# KiCad board gk.kicad_pcb (continued)
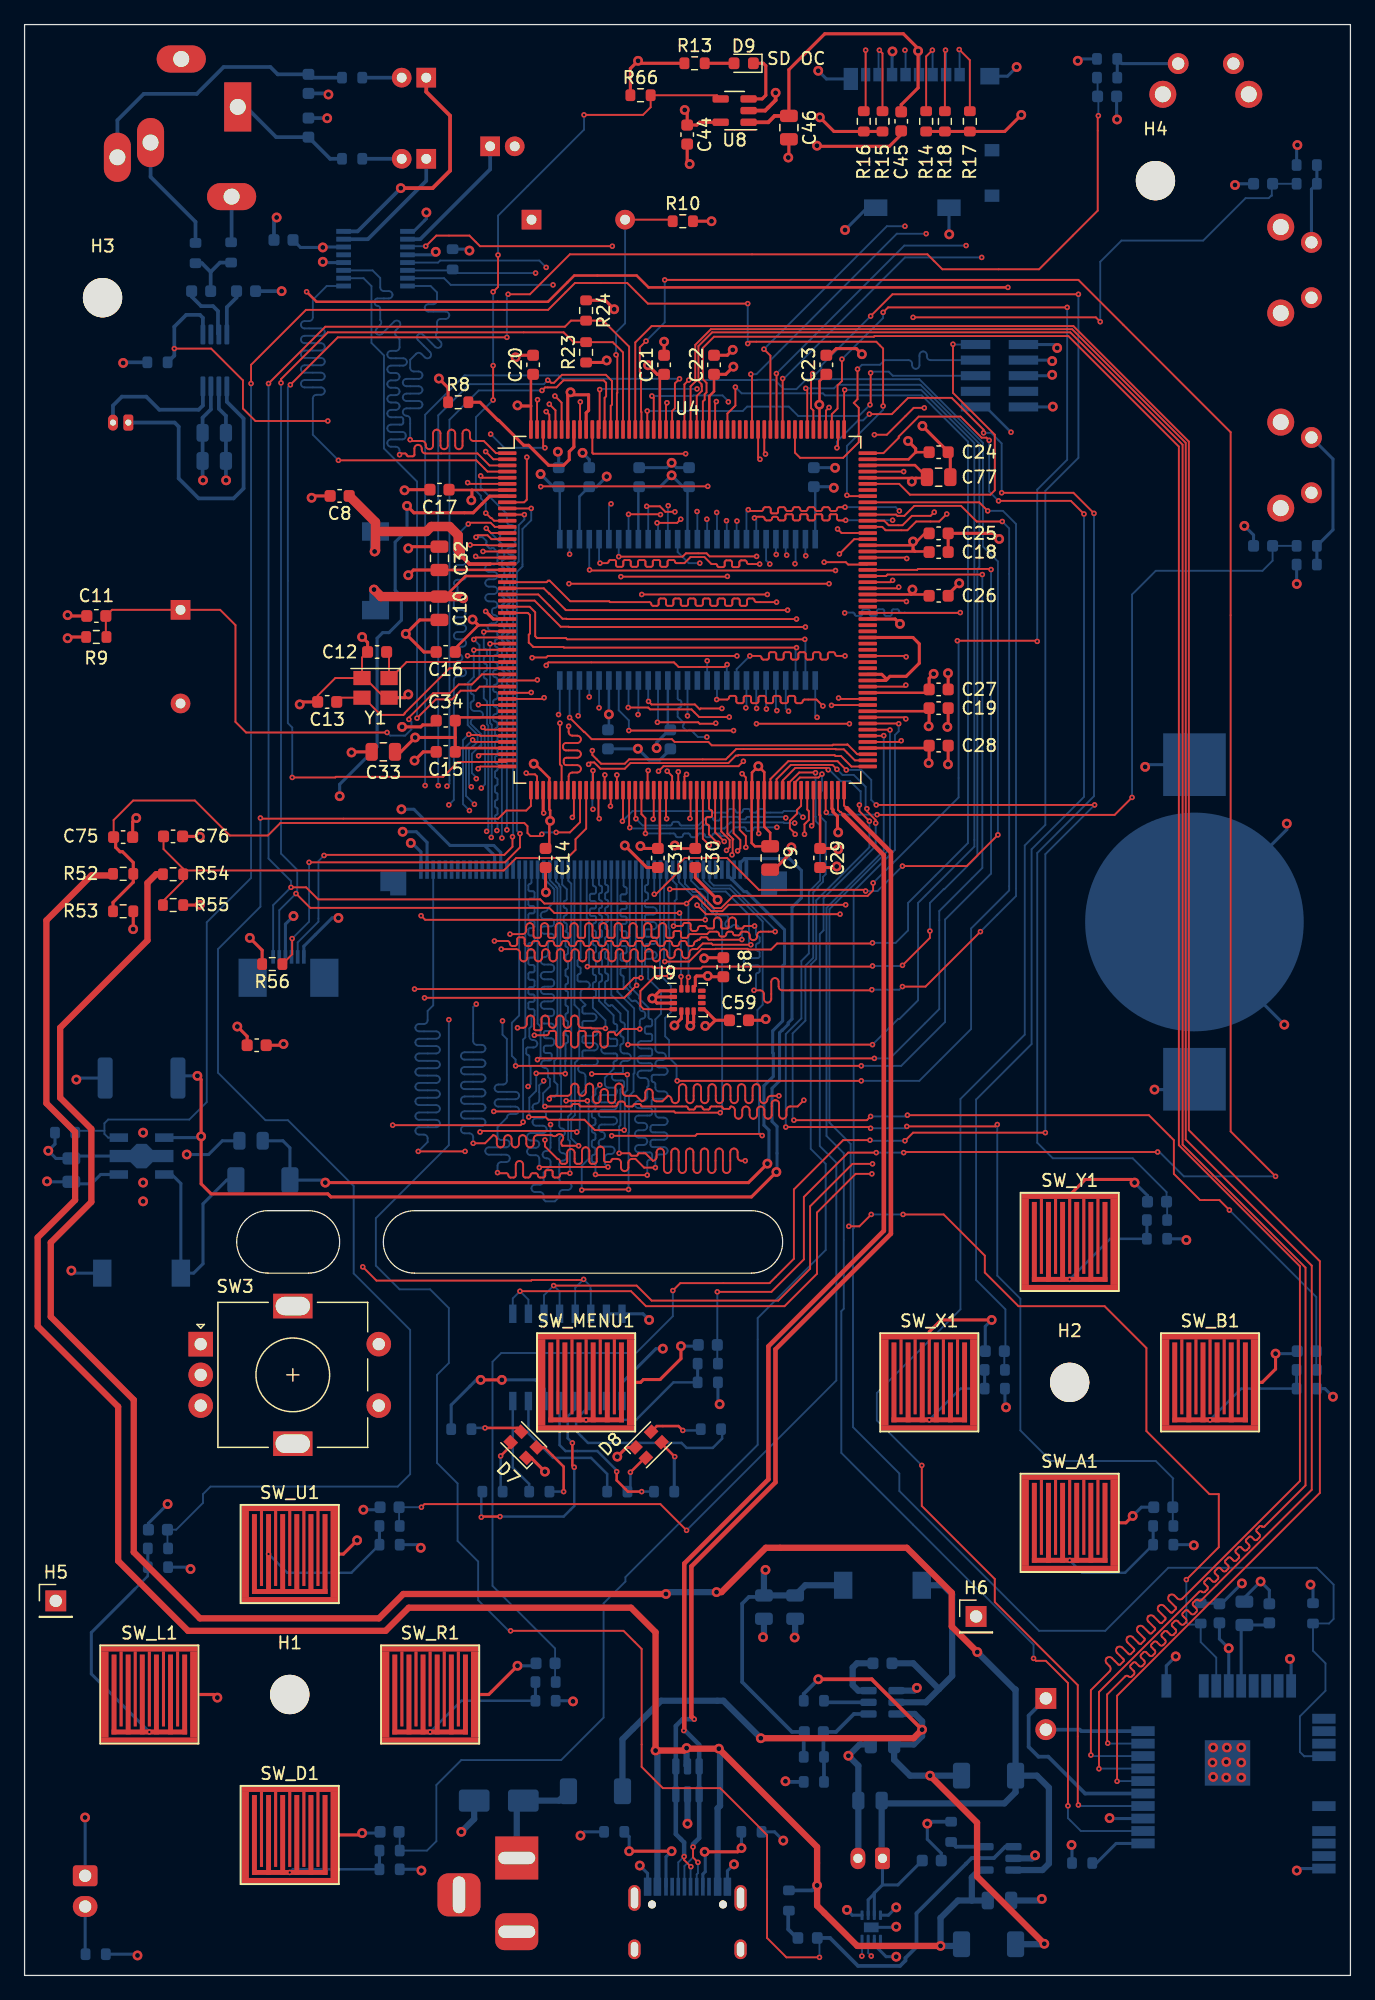
[diagram p0: board, top side]
## Routing (per net, layer and track width the routed paths; a pad name or vN(x,y) marks a point on that pad's centre or on a via; arc(x,y) is an arc through that point) (continued)
LTDC_B2: length 94.8
  Top w0.152: U4.176 57.22,127.1 57.88,127.75 v2(57.88,129.25) ; v2(69.04,84.02) 68.99,83.97 61.26,83.97 60.77,83.48 58.92,83.48 58.86,83.54 56.26,83.54 56.24,83.52 55.12,83.52 54.1,82.5 v2(52.12,82.5)
  Bottom w0.152: v2(69.04,84.02) 70.92,84.02 71.93,85.04 71.93,87.27 76.81,92.15 76.81,124.82 73.05,128.57 65.17,128.57 65,128.74 58.38,128.74 v2(57.88,129.25) ; J3.14 52.27,88.9 52.07,88.7 52.07,82.55 v2(52.12,82.5)
LTDC_B3: length 98.5
  Top w0.152: v2(79.6,118.31) 77.52,118.31 76.25,119.58 72.44,119.58 71.63,118.77 71.07,118.77 70.96,118.88 U4.146 ; v2(68.12,72.8) v2(53.14,72.8)
  Bottom w0.152: v2(53.14,72.8) 53.09,72.85 53.09,74.07 52.48,74.68 52.48,76.1 52.16,76.42 52.16,77.91 52.63,78.38 52.63,80.52 51.73,81.42 51.73,89.95 J3.15 ; v2(68.12,72.8) 72.85,72.8 77.06,77.01 77.06,85.19 80.16,88.29 80.16,117.75 v2(79.6,118.31)
LTDC_B4: length 97.9
  Top w0.152: U4.183 53.72,129.48 v2(54.08,129.83) ; v2(79.25,92.81) 76.71,90.27 v2(71.48,90.27) ; v2(51.27,87.99) 51.41,87.99 53.24,89.81 53.24,90.42 53.75,90.93 57.2,90.93 59.79,88.34 68.38,88.34 v2(68.48,88.24)
  Bottom w0.152: v2(54.08,129.83) 59.62,129.83 59.64,129.84 61.06,129.84 61.82,129.08 62.84,129.08 63.65,129.9 72.85,129.9 78.03,124.71 78.03,116.28 79.25,115.06 v2(79.25,92.81) ; J3.16 v2(51.27,87.99) ; v2(71.48,90.27) 69.44,88.24 v2(68.48,88.24)
LTDC_B5: length 95.4
  Top w0.152: v2(40.84,97.84) 40.94,97.74 41.55,97.74 41.72,97.57 U4.54 ; v2(51.36,65.74) 50.44,65.74 49.73,66.45 49.46,66.45 arc(49.25,66.36) 49.16,66.15 49.16,65.75 arc(49.07,65.53) 48.86,65.45 arc(48.65,65.53) 48.56,65.75 48.56,66.15 arc(48.47,66.36) 48.26,66.45 47.91,66.45 arc(47.82,66.41) 47.78,66.32 arc(47.75,66.23) 47.66,66.2 47.31,66.2 arc(47.22,66.23) 47.18,66.32 47.18,67.15 arc(47.1,67.36) 46.88,67.45 arc(46.67,67.36) 46.58,67.15 46.58,66.25 arc(46.52,66.1) 46.38,66.05 46.18,66.05 arc(46.04,66.1) 45.98,66.25 45.98,67.1 arc(45.9,67.31) 45.68,67.4 arc(45.47,67.31) 45.38,67.1 45.38,66.25 arc(45.32,66.1) 45.18,66.05 44.98,66.05 arc(44.84,66.1) 44.78,66.25 44.78,66.95 arc(44.7,67.16) 44.48,67.25 arc(44.27,67.16) 44.18,66.95 44.18,66.25 arc(44.12,66.1) 43.98,66.05 43.78,66.05 arc(43.64,66.1) 43.58,66.25 arc(43.52,66.39) 43.38,66.45 42.37,67.46 v2(42.37,67.99)
  In3.Cu w0.152: v2(40.84,97.84) 40.84,96.67 41.35,96.16 41.35,87.07 42.98,85.45 42.98,72.54 42.21,71.78 42.21,71.73 41.61,71.12 41.61,68.75 v2(42.37,67.99)
  Bottom w0.152: J3.17 50.77,88.85 arc(50.73,88.76) 50.64,88.72 arc(50.56,88.69) 50.52,88.6 50.52,88.25 arc(50.56,88.16) 50.64,88.12 arc(50.73,88.09) 50.77,88 50.77,87.65 arc(50.73,87.56) 50.64,87.52 arc(50.56,87.49) 50.52,87.4 50.52,87.05 arc(50.56,86.96) 50.64,86.92 51.17,86.92 arc(51.38,86.84) 51.47,86.62 arc(51.38,86.41) 51.17,86.32 50.64,86.32 arc(50.56,86.29) 50.52,86.2 50.52,85.85 arc(50.56,85.76) 50.64,85.72 51.17,85.72 arc(51.38,85.64) 51.47,85.42 arc(51.38,85.21) 51.17,85.12 50.64,85.12 arc(50.56,85.09) 50.52,85 50.52,84.65 arc(50.56,84.56) 50.64,84.52 51.17,84.52 arc(51.38,84.44) 51.47,84.22 arc(51.38,84.01) 51.17,83.92 50.64,83.92 arc(50.56,83.89) 50.52,83.8 50.52,83.45 arc(50.56,83.36) 50.64,83.32 51.17,83.32 arc(51.38,83.24) 51.47,83.02 arc(51.38,82.81) 51.17,82.72 50.64,82.72 arc(50.56,82.69) 50.52,82.6 50.52,82.25 arc(50.56,82.16) 50.64,82.12 arc(50.73,82.09) 50.77,82 50.77,81.11 51.82,80.06 51.82,78.26 51.36,77.8 51.36,75.39 arc(51.45,75.18) 51.66,75.09 51.91,75.09 arc(52.12,75) 52.21,74.79 arc(52.12,74.58) 51.91,74.49 51.66,74.49 arc(51.45,74.4) 51.36,74.19 arc(51.45,73.98) 51.66,73.89 52.06,73.89 arc(52.27,73.8) 52.36,73.59 arc(52.27,73.38) 52.06,73.29 51.21,73.29 arc(51.1,73.24) 51.06,73.14 51.06,72.84 arc(51.1,72.73) 51.21,72.69 arc(51.31,72.64) 51.36,72.54 51.36,72.24 arc(51.45,72.03) 51.66,71.94 52.06,71.94 arc(52.27,71.85) 52.36,71.64 arc(52.27,71.43) 52.06,71.34 51.21,71.34 arc(51.1,71.29) 51.06,71.19 51.06,70.89 arc(51.1,70.78) 51.21,70.74 arc(51.31,70.69) 51.36,70.59 51.36,70.1 arc(51.45,69.89) 51.66,69.8 52.06,69.8 arc(52.27,69.72) 52.36,69.5 arc(52.27,69.29) 52.06,69.2 51.16,69.2 arc(51.02,69.15) 50.96,69 50.96,68.8 arc(51.02,68.66) 51.16,68.6 52.06,68.6 arc(52.27,68.52) 52.36,68.3 arc(52.27,68.09) 52.06,68 51.16,68 arc(51.02,67.95) 50.96,67.8 50.96,67.6 arc(51.02,67.46) 51.16,67.4 52.06,67.4 arc(52.27,67.32) 52.36,67.1 arc(52.27,66.89) 52.06,66.8 51.66,66.8 arc(51.45,66.72) 51.36,66.5 v2(51.36,65.74)
LTDC_B6: length 95
  Top w0.152: v2(31.75,80.26) 48.72,80.26 49.63,81.18 v2(50.19,81.18) ; U4.195 47.72,127.73 47.83,127.83 47.83,129.75 47.33,130.25 43.75,130.25 43.1,129.6 42.88,129.6 42.67,129.81 v2(42.6,129.81)
  In3.Cu w0.152: v2(33.68,96.82) 33.68,86.31 31.75,84.38 v2(31.75,80.26)
  Bottom w0.152: v2(33.68,96.82) 33.68,126.95 36.22,129.49 42.28,129.49 v2(42.6,129.81) ; J3.18 50.27,81.26 v2(50.19,81.18)
LTDC_B7: length 93.2
  Top w0.152: U4.196 47.22,128.38 47.35,128.5 47.35,129.6 47.15,129.8 43.88,129.8 43.3,129.23 42.38,129.23 v2(42.12,128.98) ; v2(49.83,80.57) 48.82,79.55 v2(32.56,79.55)
  In3.Cu w0.152: v2(34.39,96.77) 34.39,96.37 34.09,96.06 34.09,94.79 34.3,94.58 34.3,86.12 32.56,84.38 v2(32.56,79.55)
  Bottom w0.152: J3.19 49.77,80.63 v2(49.83,80.57) ; v2(34.39,96.77) 34.59,96.98 34.59,126.59 36.98,128.98 v2(42.12,128.98)
LTDC_CLK: length 101.2
  Top w0.152: v2(78.69,114.4) 78.64,114.45 72.75,114.45 72.67,114.38 U4.137 ; v2(68.12,74.02) v2(39.98,74.02)
  Bottom w0.152: v2(39.98,74.02) 39.98,74.52 39.67,74.83 39.67,77.52 40.27,78.12 J3.38 ; v2(78.69,114.4) 78.69,89.66 74.95,85.92 74.95,77.59 71.37,74.02 v2(68.12,74.02)
LTDC_DE: length 97
  Top w0.152: U4.34 36.08,107.38 v2(36.07,107.39) ; v2(35.86,67.06) v2(32.05,67.06)
  In3.Cu w0.152: v2(35.86,67.06) 35.84,67.08 35.84,78.92 35.56,79.2 35.56,106.88 v2(36.07,107.39)
  Bottom w0.152: J3.52 33.27,78.94 32.82,78.49 32.82,77.72 arc(32.73,77.51) 32.52,77.42 32.12,77.42 arc(31.9,77.34) 31.82,77.12 arc(31.9,76.91) 32.12,76.82 33.52,76.82 arc(33.73,76.74) 33.82,76.52 arc(33.73,76.31) 33.52,76.22 32.12,76.22 arc(31.9,76.14) 31.82,75.92 arc(31.9,75.71) 32.12,75.62 33.52,75.62 arc(33.73,75.54) 33.82,75.32 arc(33.73,75.11) 33.52,75.02 32.12,75.02 arc(31.9,74.94) 31.82,74.72 arc(31.9,74.51) 32.12,74.42 33.52,74.42 arc(33.73,74.34) 33.82,74.12 arc(33.73,73.91) 33.52,73.82 32.12,73.82 arc(31.9,73.74) 31.82,73.52 arc(31.9,73.31) 32.12,73.22 33.52,73.22 arc(33.73,73.14) 33.82,72.92 arc(33.73,72.71) 33.52,72.62 32.12,72.62 arc(31.9,72.54) 31.82,72.32 arc(31.9,72.11) 32.12,72.02 33.52,72.02 arc(33.73,71.94) 33.82,71.72 arc(33.73,71.51) 33.52,71.42 32.12,71.42 arc(31.9,71.34) 31.82,71.12 arc(31.9,70.91) 32.12,70.82 33.52,70.82 arc(33.73,70.74) 33.82,70.52 arc(33.73,70.31) 33.52,70.22 32.12,70.22 arc(31.9,70.14) 31.82,69.92 arc(31.9,69.71) 32.12,69.62 33.52,69.62 arc(33.73,69.54) 33.82,69.32 arc(33.73,69.11) 33.52,69.02 32.12,69.02 arc(31.9,68.94) 31.82,68.72 arc(31.9,68.51) 32.12,68.42 32.52,68.42 arc(32.73,68.34) 32.82,68.12 32.82,67.82 v2(32.05,67.06)
LTDC_G0: length 92.2
  Top w0.152: v2(46.48,65.18) 46.53,65.13 v2(50.7,65.13) ; U4.64 46.72,94.19 v2(46.79,94.13)
  In3.Cu w0.152: v2(46.84,72.46) 46.79,72.51 46.79,73 arc(46.87,73.21) 47.09,73.3 47.14,73.3 arc(47.35,73.39) 47.44,73.6 arc(47.35,73.81) 47.14,73.9 46.66,73.9 arc(46.57,73.94) 46.54,74.02 46.54,74.37 arc(46.57,74.46) 46.66,74.5 47.14,74.5 arc(47.35,74.59) 47.44,74.8 arc(47.35,75.01) 47.14,75.1 47.09,75.1 arc(46.87,75.19) 46.79,75.4 arc(46.87,75.61) 47.09,75.7 47.14,75.7 arc(47.35,75.79) 47.44,76 arc(47.35,76.21) 47.14,76.3 47.09,76.3 arc(46.87,76.39) 46.79,76.6 46.79,77.25 arc(46.87,77.46) 47.09,77.55 47.14,77.55 arc(47.35,77.64) 47.44,77.85 arc(47.35,78.06) 47.14,78.15 47.09,78.15 arc(46.87,78.24) 46.79,78.45 arc(46.87,78.66) 47.09,78.75 47.14,78.75 arc(47.35,78.84) 47.44,79.05 arc(47.35,79.26) 47.14,79.35 47.09,79.35 arc(46.87,79.44) 46.79,79.65 arc(46.87,79.86) 47.09,79.95 47.14,79.95 arc(47.35,80.04) 47.44,80.25 arc(47.35,80.46) 47.14,80.55 46.66,80.55 arc(46.57,80.59) 46.54,80.67 46.54,81.02 arc(46.57,81.11) 46.66,81.15 47.14,81.15 arc(47.35,81.24) 47.44,81.45 arc(47.35,81.66) 47.14,81.75 47.09,81.75 arc(46.87,81.84) 46.79,82.05 arc(46.87,82.26) 47.09,82.35 47.14,82.35 arc(47.35,82.44) 47.44,82.65 arc(47.35,82.86) 47.14,82.95 46.66,82.95 arc(46.57,82.99) 46.54,83.07 46.54,83.42 arc(46.57,83.51) 46.66,83.55 47.14,83.55 arc(47.35,83.64) 47.44,83.85 arc(47.35,84.06) 47.14,84.15 47.09,84.15 arc(46.87,84.24) 46.79,84.45 46.79,84.6 arc(46.87,84.81) 47.09,84.9 47.14,84.9 arc(47.35,84.98) 47.44,85.2 arc(47.35,85.41) 47.14,85.5 47.09,85.5 arc(46.87,85.58) 46.79,85.8 arc(46.87,86.01) 47.09,86.1 47.14,86.1 arc(47.35,86.18) 47.44,86.4 arc(47.35,86.61) 47.14,86.7 47.09,86.7 arc(46.87,86.78) 46.79,87 arc(46.87,87.21) 47.09,87.3 47.14,87.3 arc(47.35,87.38) 47.44,87.6 arc(47.35,87.81) 47.14,87.9 47.09,87.9 arc(46.87,87.98) 46.79,88.2 arc(46.87,88.41) 47.09,88.5 47.14,88.5 arc(47.35,88.58) 47.44,88.8 arc(47.35,89.01) 47.14,89.1 47.09,89.1 arc(46.87,89.18) 46.79,89.4 arc(46.87,89.61) 47.09,89.7 47.14,89.7 arc(47.35,89.78) 47.44,90 arc(47.35,90.21) 47.14,90.3 47.09,90.3 arc(46.87,90.38) 46.79,90.6 arc(46.87,90.81) 47.09,90.9 47.14,90.9 arc(47.35,90.98) 47.44,91.2 arc(47.35,91.41) 47.14,91.5 47.09,91.5 arc(46.87,91.58) 46.79,91.8 arc(46.87,92.01) 47.09,92.1 47.14,92.1 arc(47.35,92.18) 47.44,92.4 arc(47.35,92.61) 47.14,92.7 46.66,92.7 arc(46.57,92.73) 46.54,92.82 46.54,93.17 arc(46.57,93.26) 46.66,93.3 arc(46.75,93.33) 46.79,93.42 v2(46.79,94.13)
  Bottom w0.152: J3.20 49.27,80.47 50.04,79.71 50.04,79.5 50.8,78.74 50.8,77.98 arc(50.84,77.87) 50.95,77.83 arc(51.06,77.78) 51.1,77.68 51.1,77.38 arc(51.06,77.27) 50.95,77.23 50.65,77.23 arc(50.54,77.18) 50.5,77.08 50.5,76.78 arc(50.54,76.67) 50.65,76.63 50.95,76.63 arc(51.06,76.58) 51.1,76.48 51.1,76.18 arc(51.06,76.07) 50.95,76.03 50.2,76.03 arc(49.99,75.94) 49.9,75.73 arc(49.99,75.52) 50.2,75.43 50.95,75.43 arc(51.06,75.38) 51.1,75.28 51.1,74.98 arc(51.06,74.87) 50.95,74.83 50.2,74.83 arc(49.99,74.74) 49.9,74.53 arc(49.99,74.32) 50.2,74.23 50.95,74.23 arc(51.06,74.18) 51.1,74.08 51.1,73.78 arc(51.06,73.67) 50.95,73.63 50.2,73.63 arc(49.99,73.54) 49.9,73.33 arc(49.99,73.12) 50.2,73.03 50.5,73.03 arc(50.71,72.94) 50.8,72.73 50.8,72.39 50.7,72.29 50.7,71.48 arc(50.61,71.26) 50.4,71.18 50,71.18 arc(49.79,71.09) 49.7,70.88 arc(49.79,70.66) 50,70.58 50.9,70.58 arc(51.04,70.52) 51.1,70.38 51.1,70.18 arc(51.04,70.03) 50.9,69.98 50,69.98 arc(49.79,69.89) 49.7,69.68 arc(49.79,69.46) 50,69.38 50.4,69.38 arc(50.61,69.29) 50.7,69.08 arc(50.61,68.86) 50.4,68.78 50,68.78 arc(49.79,68.69) 49.7,68.48 arc(49.79,68.26) 50,68.18 50.4,68.18 arc(50.61,68.09) 50.7,67.88 arc(50.61,67.66) 50.4,67.58 50,67.58 arc(49.79,67.49) 49.7,67.28 arc(49.79,67.06) 50,66.98 50.9,66.98 arc(51.04,66.92) 51.1,66.78 51.1,66.58 arc(51.04,66.43) 50.9,66.38 arc(50.76,66.32) 50.7,66.18 v2(50.7,65.13) ; v2(46.48,65.18) 46.48,66.03 arc(46.44,66.14) 46.33,66.18 arc(46.23,66.22) 46.18,66.33 46.18,66.63 arc(46.23,66.74) 46.33,66.78 arc(46.44,66.82) 46.48,66.93 46.48,67.23 arc(46.44,67.34) 46.33,67.38 arc(46.23,67.42) 46.18,67.53 46.18,67.83 arc(46.23,67.94) 46.33,67.98 arc(46.44,68.02) 46.48,68.13 46.48,68.43 arc(46.44,68.54) 46.33,68.58 arc(46.23,68.62) 46.18,68.73 46.18,69.03 arc(46.23,69.14) 46.33,69.18 arc(46.44,69.22) 46.48,69.33 46.48,69.63 arc(46.44,69.74) 46.33,69.78 arc(46.23,69.82) 46.18,69.93 46.18,70.23 arc(46.23,70.34) 46.33,70.38 arc(46.44,70.42) 46.48,70.53 46.48,70.88 arc(46.45,70.97) 46.36,71 arc(46.27,71.04) 46.23,71.13 46.23,71.48 arc(46.27,71.57) 46.36,71.6 arc(46.45,71.64) 46.48,71.73 46.48,72.11 v2(46.84,72.46)
LTDC_G1: length 93.3
  Top w0.152: v2(50.09,77.01) 48.72,77.01 48.21,76.5 arc(48.12,76.54) 48.08,76.63 arc(48.05,76.72) 47.96,76.75 47.61,76.75 arc(47.52,76.72) 47.48,76.63 47.48,75.8 arc(47.4,75.59) 47.18,75.5 arc(46.97,75.59) 46.88,75.8 46.88,76.65 arc(46.84,76.76) 46.73,76.8 46.43,76.8 arc(46.33,76.76) 46.28,76.65 46.28,75.8 arc(46.2,75.59) 45.98,75.5 arc(45.77,75.59) 45.68,75.8 45.68,76.68 arc(45.63,76.8) 45.51,76.85 45.26,76.85 arc(45.14,76.8) 45.08,76.68 45.08,75.8 arc(45,75.59) 44.78,75.5 arc(44.57,75.59) 44.48,75.8 44.48,76.68 arc(44.43,76.8) 44.31,76.85 44.06,76.85 arc(43.94,76.8) 43.88,76.68 43.88,75.8 arc(43.8,75.59) 43.58,75.5 arc(43.37,75.59) 43.28,75.8 43.28,76.68 arc(43.23,76.8) 43.11,76.85 42.86,76.85 arc(42.74,76.8) 42.68,76.68 arc(42.63,76.56) 42.51,76.5 v2(41.5,76.5) ; v2(37.13,122.02) 37.28,121.88 U4.5
  In3.Cu w0.152: v2(41.5,76.5) 41.5,85.29 39.47,87.33 39.47,92.1 39.27,92.3 v2(39.27,93.22)
  Bottom w0.152: v2(39.27,93.22) 39.27,104.26 arc(39.31,104.35) 39.39,104.39 arc(39.48,104.42) 39.52,104.51 39.52,104.86 arc(39.48,104.95) 39.39,104.99 arc(39.31,105.02) 39.27,105.11 39.27,105.46 arc(39.31,105.55) 39.39,105.59 arc(39.48,105.62) 39.52,105.71 39.52,106.06 arc(39.48,106.15) 39.39,106.19 arc(39.31,106.22) 39.27,106.31 39.27,106.66 arc(39.31,106.75) 39.39,106.79 arc(39.48,106.82) 39.52,106.91 39.52,107.26 arc(39.48,107.35) 39.39,107.39 arc(39.31,107.42) 39.27,107.51 39.27,107.86 arc(39.31,107.95) 39.39,107.99 arc(39.48,108.02) 39.52,108.11 39.52,108.46 arc(39.48,108.55) 39.39,108.59 arc(39.31,108.62) 39.27,108.71 39.27,109.06 arc(39.31,109.15) 39.39,109.19 arc(39.48,109.22) 39.52,109.31 39.52,109.66 arc(39.48,109.75) 39.39,109.79 arc(39.31,109.82) 39.27,109.91 39.27,110.26 arc(39.31,110.35) 39.39,110.39 arc(39.48,110.42) 39.52,110.51 39.52,110.86 arc(39.48,110.95) 39.39,110.99 arc(39.31,111.02) 39.27,111.11 39.27,111.46 arc(39.31,111.55) 39.39,111.59 arc(39.48,111.62) 39.52,111.71 39.52,112.06 arc(39.48,112.15) 39.39,112.19 arc(39.31,112.22) 39.27,112.31 39.27,112.66 arc(39.31,112.75) 39.39,112.79 arc(39.48,112.82) 39.52,112.91 39.52,113.26 arc(39.48,113.35) 39.39,113.39 arc(39.31,113.42) 39.27,113.51 39.27,113.86 arc(39.31,113.95) 39.39,113.99 arc(39.48,114.02) 39.52,114.11 39.52,114.46 arc(39.48,114.55) 39.39,114.59 arc(39.31,114.62) 39.27,114.71 arc(39.36,114.93) 39.57,115.01 39.67,115.01 arc(39.88,115.1) 39.97,115.31 arc(39.88,115.53) 39.67,115.61 39.57,115.61 arc(39.36,115.7) 39.27,115.91 arc(39.36,116.13) 39.57,116.21 39.67,116.21 arc(39.88,116.3) 39.97,116.51 arc(39.88,116.73) 39.67,116.81 38.99,116.81 arc(38.8,116.89) 38.72,117.09 38.72,117.14 arc(38.8,117.33) 38.99,117.41 39.67,117.41 arc(39.88,117.5) 39.97,117.71 arc(39.88,117.93) 39.67,118.01 39.57,118.01 arc(39.36,118.1) 39.27,118.31 39.27,118.92 37.13,121.06 v2(37.13,122.02) ; J3.21 48.77,88.7 arc(48.81,88.61) 48.89,88.57 arc(48.98,88.54) 49.02,88.45 49.02,88.1 arc(48.98,88.01) 48.89,87.97 48.64,87.97 arc(48.56,87.94) 48.52,87.85 48.52,87.5 arc(48.56,87.41) 48.64,87.37 48.89,87.37 arc(48.98,87.34) 49.02,87.25 49.02,86.9 arc(48.98,86.81) 48.89,86.77 48.64,86.77 arc(48.56,86.74) 48.52,86.65 48.52,86.3 arc(48.56,86.21) 48.64,86.17 48.89,86.17 arc(48.98,86.14) 49.02,86.05 49.02,85.7 arc(48.98,85.61) 48.89,85.57 48.64,85.57 arc(48.56,85.54) 48.52,85.45 48.52,85.1 arc(48.56,85.01) 48.64,84.97 48.89,84.97 arc(48.98,84.94) 49.02,84.85 49.02,84.5 arc(48.98,84.41) 48.89,84.37 48.64,84.37 arc(48.56,84.34) 48.52,84.25 48.52,83.9 arc(48.56,83.81) 48.64,83.77 48.89,83.77 arc(48.98,83.74) 49.02,83.65 49.02,83.3 arc(48.98,83.21) 48.89,83.17 48.64,83.17 arc(48.56,83.14) 48.52,83.05 48.52,82.7 arc(48.56,82.61) 48.64,82.57 48.89,82.57 arc(48.98,82.54) 49.02,82.45 49.02,82.1 arc(48.98,82.01) 48.89,81.97 48.64,81.97 arc(48.56,81.94) 48.52,81.85 48.52,81.5 arc(48.56,81.41) 48.64,81.37 arc(48.73,81.34) 48.77,81.25 48.77,80.31 arc(48.84,80.28) 48.91,80.31 arc(48.98,80.34) 49.05,80.31 49.34,80.03 arc(49.36,79.96) 49.34,79.89 49.18,79.73 arc(49.14,79.64) 49.18,79.55 49.42,79.31 arc(49.51,79.27) 49.6,79.31 arc(49.69,79.34) 49.78,79.31 50.09,78.99 50.09,78.69 arc(50.15,78.53) 50.31,78.46 arc(50.47,78.4) 50.54,78.24 50.54,78.09 arc(50.47,77.93) 50.31,77.86 arc(50.15,77.8) 50.09,77.64 v2(50.09,77.01)
LTDC_G2: length 94.1
  Top w0.152: v2(44.3,101.65) 44.3,101.19 arc(44.39,100.97) 44.6,100.89 45,100.89 arc(45.21,100.8) 45.3,100.59 arc(45.21,100.37) 45,100.29 44.07,100.29 arc(43.91,100.22) 43.85,100.06 43.85,99.91 arc(43.91,99.75) 44.07,99.69 45,99.69 arc(45.21,99.6) 45.3,99.39 arc(45.21,99.17) 45,99.09 44.1,99.09 arc(43.96,99.03) 43.9,98.89 43.9,98.69 arc(43.96,98.55) 44.1,98.49 45,98.49 arc(45.21,98.4) 45.3,98.19 arc(45.21,97.97) 45,97.89 44.6,97.89 arc(44.39,97.8) 44.3,97.59 44.3,96.52 ; v2(44.09,71.17) v2(45.82,71.17) ; v2(45.36,63.91) 45.42,63.96 v2(49.17,63.96)
  In3.Cu w0.152: v2(44.09,71.17) 44.15,71.22 44.15,71.63 43.79,71.98 43.79,73.05 43.63,73.21 43.63,73.54 43.79,73.7 43.79,73.81 43.84,73.86 43.84,74.27 44.15,74.57 44.15,75.18 arc(44.17,75.25) 44.25,75.28 arc(44.32,75.31) 44.35,75.38 44.35,75.78 arc(44.32,75.85) 44.25,75.88 43.97,75.88 arc(43.85,75.93) 43.8,76.06 43.8,76.31 arc(43.85,76.43) 43.97,76.48 44.25,76.48 arc(44.32,76.51) 44.35,76.58 44.35,76.98 arc(44.32,77.05) 44.25,77.08 arc(44.17,77.11) 44.15,77.18 44.15,77.58 arc(44.17,77.65) 44.25,77.68 arc(44.32,77.71) 44.35,77.78 44.35,78.18 arc(44.32,78.25) 44.25,78.28 arc(44.17,78.31) 44.15,78.38 44.15,78.78 arc(44.17,78.85) 44.25,78.88 arc(44.32,78.91) 44.35,78.98 44.35,79.38 arc(44.32,79.45) 44.25,79.48 arc(44.17,79.51) 44.15,79.58 44.15,79.98 arc(44.17,80.05) 44.25,80.08 arc(44.32,80.11) 44.35,80.18 44.35,80.58 arc(44.32,80.65) 44.25,80.68 arc(44.17,80.71) 44.15,80.78 44.15,81.18 arc(44.17,81.25) 44.25,81.28 arc(44.32,81.31) 44.35,81.38 44.35,81.78 arc(44.32,81.85) 44.25,81.88 arc(44.17,81.91) 44.15,81.98 44.15,82.38 arc(44.17,82.45) 44.25,82.48 arc(44.32,82.51) 44.35,82.58 44.35,82.98 arc(44.32,83.05) 44.25,83.08 arc(44.17,83.11) 44.15,83.18 44.15,83.58 arc(44.17,83.65) 44.25,83.68 arc(44.32,83.71) 44.35,83.78 44.35,84.18 arc(44.32,84.25) 44.25,84.28 arc(44.17,84.31) 44.15,84.38 44.15,84.78 arc(44.17,84.85) 44.25,84.88 arc(44.32,84.91) 44.35,84.98 44.35,85.38 arc(44.32,85.45) 44.25,85.48 arc(44.17,85.51) 44.15,85.58 44.15,85.98 arc(44.17,86.05) 44.25,86.08 arc(44.32,86.11) 44.35,86.18 44.35,86.58 arc(44.32,86.65) 44.25,86.68 arc(44.17,86.71) 44.15,86.78 44.15,87.18 arc(44.17,87.25) 44.25,87.28 arc(44.32,87.31) 44.35,87.38 44.35,87.78 arc(44.32,87.85) 44.25,87.88 arc(44.17,87.91) 44.15,87.98 44.15,88.38 arc(44.17,88.45) 44.25,88.48 arc(44.32,88.51) 44.35,88.58 44.35,88.98 arc(44.32,89.05) 44.25,89.08 arc(44.17,89.11) 44.15,89.18 44.15,89.58 arc(44.17,89.65) 44.25,89.68 arc(44.32,89.71) 44.35,89.78 44.35,90.18 arc(44.32,90.25) 44.25,90.28 arc(44.17,90.31) 44.15,90.38 44.15,90.78 arc(44.17,90.85) 44.25,90.88 arc(44.32,90.91) 44.35,90.98 44.35,91.38 arc(44.32,91.45) 44.25,91.48 43.97,91.48 arc(43.85,91.53) 43.8,91.66 43.8,91.91 arc(43.85,92.03) 43.97,92.08 44.25,92.08 arc(44.32,92.11) 44.35,92.18 44.35,92.58 arc(44.32,92.65) 44.25,92.68 arc(44.17,92.71) 44.15,92.78 44.15,93.18 arc(44.17,93.25) 44.25,93.28 arc(44.32,93.31) 44.35,93.38 44.35,93.78 arc(44.32,93.85) 44.25,93.88 arc(44.17,93.91) 44.15,93.98 44.15,94.13 44.04,94.23 44.04,94.99 arc(44.13,95.2) 44.34,95.29 44.74,95.29 arc(44.96,95.38) 45.04,95.59 arc(44.96,95.8) 44.74,95.89 44.34,95.89 arc(44.13,95.98) 44.04,96.19 arc(44.13,96.4) 44.34,96.49 44.74,96.49 arc(44.96,96.58) 45.04,96.79 arc(44.96,97) 44.74,97.09 44.34,97.09 arc(44.13,97.18) 44.04,97.39 arc(44.13,97.6) 44.34,97.69 44.69,97.69 arc(44.91,97.78) 44.99,97.99 arc(44.91,98.2) 44.69,98.29 44.34,98.29 arc(44.13,98.38) 44.04,98.59 arc(44.13,98.8) 44.34,98.89 44.59,98.89 arc(44.81,98.98) 44.89,99.19 arc(44.81,99.4) 44.59,99.49 44.34,99.49 arc(44.13,99.58) 44.04,99.79 arc(44.13,100) 44.34,100.09 44.59,100.09 arc(44.81,100.18) 44.89,100.39 arc(44.81,100.6) 44.59,100.69 44.34,100.69 arc(44.13,100.78) 44.04,100.99 44.04,101.4 v2(44.3,101.65)
  Bottom w0.152: J3.22 48.27,80.05 49.63,78.69 49.63,77.11 49.65,77.09 49.65,73.43 49.58,73.36 49.58,71.93 49.21,71.56 49.21,68.62 49.17,68.59 v2(49.17,63.96) ; v2(45.82,71.17) 45.92,71.07 45.92,66.45 45.36,65.89 v2(45.36,63.91)
LTDC_G3: length 102.8
  Top w0.152: v2(69.04,75.74) v2(49.12,75.74) ; U4.157 66.72,128.98 v2(66.77,129.03)
  Bottom w0.152: v2(49.12,75.74) 49.12,78.44 47.77,79.79 J3.23 ; v2(69.04,75.74) 71.12,77.83 71.22,77.83 72.75,79.35 72.75,87.27 77.33,91.86 77.33,124.7 73.01,129.03 v2(66.77,129.03)
LTDC_G4: length 104.1
  Top w0.152: U4.87 58.22,93.21 58.72,92.71 v2(58.72,91.8) ; v2(48.41,66.9) 49.23,66.9 arc(49.3,66.87) 49.33,66.8 arc(49.35,66.73) 49.43,66.7 49.83,66.7 arc(49.9,66.73) 49.93,66.8 arc(49.95,66.87) 50.03,66.9 50.55,66.9 51.16,66.29 arc(51.37,66.38) 51.46,66.59 51.46,66.99 arc(51.54,67.21) 51.76,67.29 arc(51.97,67.21) 52.06,66.99 52.06,65.59 arc(52.14,65.38) 52.36,65.29 arc(52.57,65.38) 52.66,65.59 52.66,66.99 arc(52.74,67.21) 52.96,67.29 arc(53.17,67.21) 53.26,66.99 53.26,65.59 arc(53.34,65.38) 53.56,65.29 arc(53.77,65.38) 53.86,65.59 53.86,66.99 arc(53.94,67.21) 54.16,67.29 arc(54.37,67.21) 54.46,66.99 54.46,65.59 arc(54.54,65.38) 54.76,65.29 arc(54.97,65.38) 55.06,65.59 55.06,66.99 arc(55.14,67.21) 55.36,67.29 arc(55.57,67.21) 55.66,66.99 55.66,65.59 arc(55.74,65.38) 55.96,65.29 arc(56.17,65.38) 56.26,65.59 56.26,66.99 arc(56.34,67.21) 56.56,67.29 arc(56.77,67.21) 56.86,66.99 56.86,65.59 arc(56.94,65.38) 57.16,65.29 arc(57.37,65.38) 57.46,65.59 57.46,66.99 arc(57.54,67.21) 57.76,67.29 arc(57.97,67.21) 58.06,66.99 58.06,66.59 arc(58.14,66.38) 58.36,66.29 v2(58.67,66.29)
  In3.Cu w0.152: v2(58.67,66.29) 58.67,69.19 58.81,69.33 58.81,70.61 arc(58.72,70.82) 58.51,70.91 58.17,70.91 arc(57.96,70.99) 57.87,71.21 arc(57.96,71.42) 58.17,71.51 59.45,71.51 arc(59.66,71.59) 59.75,71.81 arc(59.66,72.02) 59.45,72.11 58.17,72.11 arc(57.96,72.19) 57.87,72.41 arc(57.96,72.62) 58.17,72.71 59.45,72.71 arc(59.66,72.79) 59.75,73.01 arc(59.66,73.22) 59.45,73.31 58.17,73.31 arc(57.96,73.39) 57.87,73.61 arc(57.96,73.82) 58.17,73.91 59.45,73.91 arc(59.66,73.99) 59.75,74.21 arc(59.66,74.42) 59.45,74.51 58.17,74.51 arc(57.96,74.59) 57.87,74.81 arc(57.96,75.02) 58.17,75.11 59.45,75.11 arc(59.66,75.19) 59.75,75.41 arc(59.66,75.62) 59.45,75.71 58.17,75.71 arc(57.96,75.79) 57.87,76.01 arc(57.96,76.22) 58.17,76.31 58.51,76.31 arc(58.72,76.39) 58.81,76.61 58.81,83.59 58.69,83.71 58.69,84.03 58.81,84.15 58.81,91.71 v2(58.72,91.8)
  Bottom w0.152: v2(48.41,66.9) 48.41,69.08 48.51,69.18 48.51,72.07 arc(48.56,72.18) 48.66,72.22 arc(48.77,72.27) 48.81,72.37 48.81,72.67 arc(48.77,72.78) 48.66,72.82 48.11,72.82 arc(47.9,72.91) 47.81,73.12 arc(47.9,73.34) 48.11,73.42 48.61,73.42 arc(48.68,73.45) 48.71,73.52 48.71,73.92 arc(48.68,73.99) 48.61,74.02 arc(48.54,74.05) 48.51,74.12 arc(48.6,74.34) 48.81,74.42 49.06,74.42 arc(49.28,74.51) 49.36,74.72 arc(49.28,74.94) 49.06,75.02 48.81,75.02 arc(48.6,75.11) 48.51,75.32 48.51,75.67 arc(48.55,75.76) 48.64,75.8 arc(48.73,75.84) 48.76,75.92 48.76,76.27 arc(48.73,76.36) 48.64,76.4 arc(48.55,76.44) 48.51,76.52 48.51,76.77 arc(48.57,76.9) 48.69,76.95 arc(48.81,77) 48.86,77.12 48.86,77.37 arc(48.81,77.5) 48.69,77.55 arc(48.57,77.6) 48.51,77.72 48.51,78.28 47.87,78.93 arc(47.78,78.96) 47.69,78.93 arc(47.61,78.89) 47.52,78.93 47.27,79.17 arc(47.23,79.26) 47.27,79.35 arc(47.31,79.44) 47.27,79.53 47.27,80.8 arc(47.31,80.89) 47.39,80.92 arc(47.48,80.96) 47.52,81.05 47.52,81.4 arc(47.48,81.49) 47.39,81.52 arc(47.31,81.56) 47.27,81.65 47.27,82 arc(47.31,82.09) 47.39,82.12 arc(47.48,82.16) 47.52,82.25 47.52,82.6 arc(47.48,82.69) 47.39,82.72 arc(47.31,82.76) 47.27,82.85 47.27,83.2 arc(47.31,83.29) 47.39,83.32 arc(47.48,83.36) 47.52,83.45 47.52,83.8 arc(47.48,83.89) 47.39,83.92 arc(47.31,83.96) 47.27,84.05 47.27,84.4 arc(47.31,84.49) 47.39,84.52 arc(47.48,84.56) 47.52,84.65 47.52,85 arc(47.48,85.09) 47.39,85.12 arc(47.31,85.16) 47.27,85.25 47.27,85.6 arc(47.31,85.69) 47.39,85.72 arc(47.48,85.76) 47.52,85.85 47.52,86.2 arc(47.48,86.29) 47.39,86.32 arc(47.31,86.36) 47.27,86.45 47.27,86.8 arc(47.31,86.89) 47.39,86.92 arc(47.48,86.96) 47.52,87.05 47.52,87.4 arc(47.48,87.49) 47.39,87.52 arc(47.31,87.56) 47.27,87.65 47.27,88 arc(47.31,88.09) 47.39,88.12 arc(47.48,88.16) 47.52,88.25 47.52,88.6 arc(47.48,88.69) 47.39,88.72 arc(47.31,88.76) 47.27,88.85 J3.24
LTDC_G5: length 105
  Top w0.152: v2(41.91,65.74) 41.96,65.79 v2(47.5,65.79) ; v2(36.93,98.2) 37.11,98.38 U4.52
  In3.Cu w0.152: v2(42.27,72.8) 42.27,77.03 arc(42.33,77.18) 42.48,77.24 arc(42.63,77.31) 42.7,77.46 42.7,77.63 arc(42.63,77.78) 42.48,77.84 42.02,77.84 arc(41.85,77.91) 41.78,78.09 41.78,78.2 arc(41.85,78.37) 42.02,78.44 42.48,78.44 arc(42.64,78.51) 42.7,78.66 42.7,78.83 arc(42.64,78.98) 42.48,79.04 42.02,79.04 arc(41.85,79.11) 41.78,79.29 41.78,79.4 arc(41.85,79.57) 42.02,79.64 42.48,79.64 arc(42.64,79.71) 42.7,79.86 42.7,80.03 arc(42.64,80.18) 42.48,80.24 42.02,80.24 arc(41.85,80.31) 41.78,80.49 41.78,80.6 arc(41.85,80.77) 42.02,80.84 42.48,80.84 arc(42.64,80.91) 42.7,81.06 42.7,81.23 arc(42.64,81.38) 42.48,81.44 42.02,81.44 arc(41.85,81.51) 41.78,81.69 41.78,81.8 arc(41.85,81.97) 42.02,82.04 42.48,82.04 arc(42.64,82.11) 42.7,82.26 42.7,82.43 arc(42.64,82.58) 42.48,82.64 42.02,82.64 arc(41.85,82.71) 41.78,82.89 41.78,83 arc(41.85,83.17) 42.02,83.24 42.48,83.24 arc(42.64,83.31) 42.7,83.46 42.7,83.63 arc(42.64,83.78) 42.48,83.84 42.03,83.84 arc(41.86,83.91) 41.78,84.08 41.78,84.21 arc(41.86,84.38) 42.03,84.45 arc(42.2,84.52) 42.27,84.69 42.27,85.34 41.75,85.86 arc(41.71,85.96) 41.75,86.06 arc(41.79,86.16) 41.75,86.26 41.52,86.49 arc(41.42,86.53) 41.32,86.49 41.12,86.29 arc(41.03,86.25) 40.93,86.29 40.69,86.52 arc(40.65,86.62) 40.69,86.72 arc(40.73,86.82) 40.69,86.92 40.23,87.38 40.23,87.99 arc(40.32,88.2) 40.53,88.29 40.77,88.29 arc(40.98,88.38) 41.07,88.59 arc(40.98,88.8) 40.77,88.89 39.99,88.89 arc(39.82,88.96) 39.75,89.13 39.75,89.25 arc(39.82,89.42) 39.99,89.49 40.77,89.49 arc(40.98,89.58) 41.07,89.79 arc(40.98,90) 40.77,90.09 39.99,90.09 arc(39.82,90.16) 39.75,90.33 39.75,90.45 arc(39.82,90.62) 39.99,90.69 40.77,90.69 arc(40.98,90.78) 41.07,90.99 arc(40.98,91.2) 40.77,91.29 40.53,91.29 arc(40.32,91.38) 40.23,91.59 40.23,91.85 40.79,92.41 40.79,94.89 37.49,98.2 v2(36.93,98.2)
  Bottom w0.152: v2(42.27,72.8) 41.9,72.43 41.9,71.88 41.91,71.87 41.91,71.22 arc(41.83,71.03) 41.63,70.95 arc(41.44,70.87) 41.36,70.67 41.36,70.62 arc(41.44,70.43) 41.63,70.35 42.19,70.35 arc(42.38,70.27) 42.46,70.07 42.46,70.02 arc(42.38,69.83) 42.19,69.75 41.63,69.75 arc(41.44,69.67) 41.36,69.47 41.36,69.42 arc(41.44,69.23) 41.63,69.15 42.21,69.15 arc(42.42,69.06) 42.51,68.85 arc(42.42,68.63) 42.21,68.55 41.21,68.55 arc(41,68.46) 40.91,68.25 arc(41,68.03) 41.21,67.95 41.61,67.95 arc(41.82,67.86) 41.91,67.65 arc(41.82,67.43) 41.61,67.35 41.21,67.35 arc(41,67.26) 40.91,67.05 arc(41,66.83) 41.21,66.75 41.61,66.75 arc(41.82,66.66) 41.91,66.45 v2(41.91,65.74) ; v2(47.5,65.79) 47.24,66.04 47.24,66.54 arc(47.33,66.75) 47.54,66.84 47.74,66.84 arc(47.96,66.93) 48.04,67.14 arc(47.96,67.35) 47.74,67.44 46.99,67.44 arc(46.82,67.52) 46.74,67.69 46.74,67.79 arc(46.82,67.97) 46.99,68.04 arc(47.17,68.12) 47.24,68.29 47.24,68.39 arc(47.17,68.57) 46.99,68.64 arc(46.82,68.72) 46.74,68.89 46.74,68.99 arc(46.82,69.17) 46.99,69.24 47.94,69.24 arc(48.16,69.33) 48.24,69.54 arc(48.16,69.75) 47.94,69.84 46.99,69.84 arc(46.82,69.92) 46.74,70.09 46.74,70.19 arc(46.82,70.37) 46.99,70.44 47.94,70.44 arc(48.16,70.53) 48.24,70.74 arc(48.16,70.95) 47.94,71.04 46.99,71.04 arc(46.82,71.12) 46.74,71.29 46.74,71.39 arc(46.82,71.57) 46.99,71.64 47.94,71.64 arc(48.16,71.73) 48.24,71.94 arc(48.16,72.15) 47.94,72.24 47.54,72.24 arc(47.33,72.33) 47.24,72.54 47.24,73.05 47.96,73.76 47.96,74.27 arc(48,74.38) 48.11,74.42 arc(48.21,74.47) 48.26,74.57 48.26,74.87 arc(48.21,74.98) 48.11,75.02 47.26,75.02 arc(47.04,75.11) 46.96,75.32 arc(47.04,75.53) 47.26,75.62 48.11,75.62 arc(48.21,75.67) 48.26,75.77 48.26,76.07 arc(48.21,76.18) 48.11,76.22 47.73,76.22 arc(47.57,76.29) 47.51,76.45 47.51,76.6 arc(47.57,76.76) 47.73,76.82 48.11,76.82 arc(48.21,76.87) 48.26,76.97 48.26,77.27 arc(48.21,77.38) 48.11,77.42 arc(48,77.47) 47.96,77.57 47.96,78.13 46.77,79.32 46.77,80.75 arc(46.81,80.84) 46.89,80.87 arc(46.98,80.91) 47.02,81 47.02,81.35 arc(46.98,81.44) 46.89,81.47 arc(46.81,81.51) 46.77,81.6 46.77,81.95 arc(46.81,82.04) 46.89,82.07 arc(46.98,82.11) 47.02,82.2 47.02,82.55 arc(46.98,82.64) 46.89,82.67 arc(46.81,82.71) 46.77,82.8 46.77,83.15 arc(46.81,83.24) 46.89,83.27 arc(46.98,83.31) 47.02,83.4 47.02,83.75 arc(46.98,83.84) 46.89,83.87 arc(46.81,83.91) 46.77,84 46.77,84.35 arc(46.81,84.44) 46.89,84.47 arc(46.98,84.51) 47.02,84.6 47.02,84.95 arc(46.98,85.04) 46.89,85.07 arc(46.81,85.11) 46.77,85.2 46.77,85.55 arc(46.81,85.64) 46.89,85.67 arc(46.98,85.71) 47.02,85.8 47.02,86.15 arc(46.98,86.24) 46.89,86.27 arc(46.81,86.31) 46.77,86.4 46.77,86.75 arc(46.81,86.84) 46.89,86.87 arc(46.98,86.91) 47.02,87 47.02,87.35 arc(46.98,87.44) 46.89,87.47 arc(46.81,87.51) 46.77,87.6 46.77,87.95 arc(46.81,88.04) 46.89,88.07 arc(46.98,88.11) 47.02,88.2 47.02,88.55 arc(46.98,88.64) 46.89,88.67 arc(46.81,88.71) 46.77,88.8 J3.25